# Altium PCB Cueing-PCB.PcbDoc (part 1 of 2) (continued)
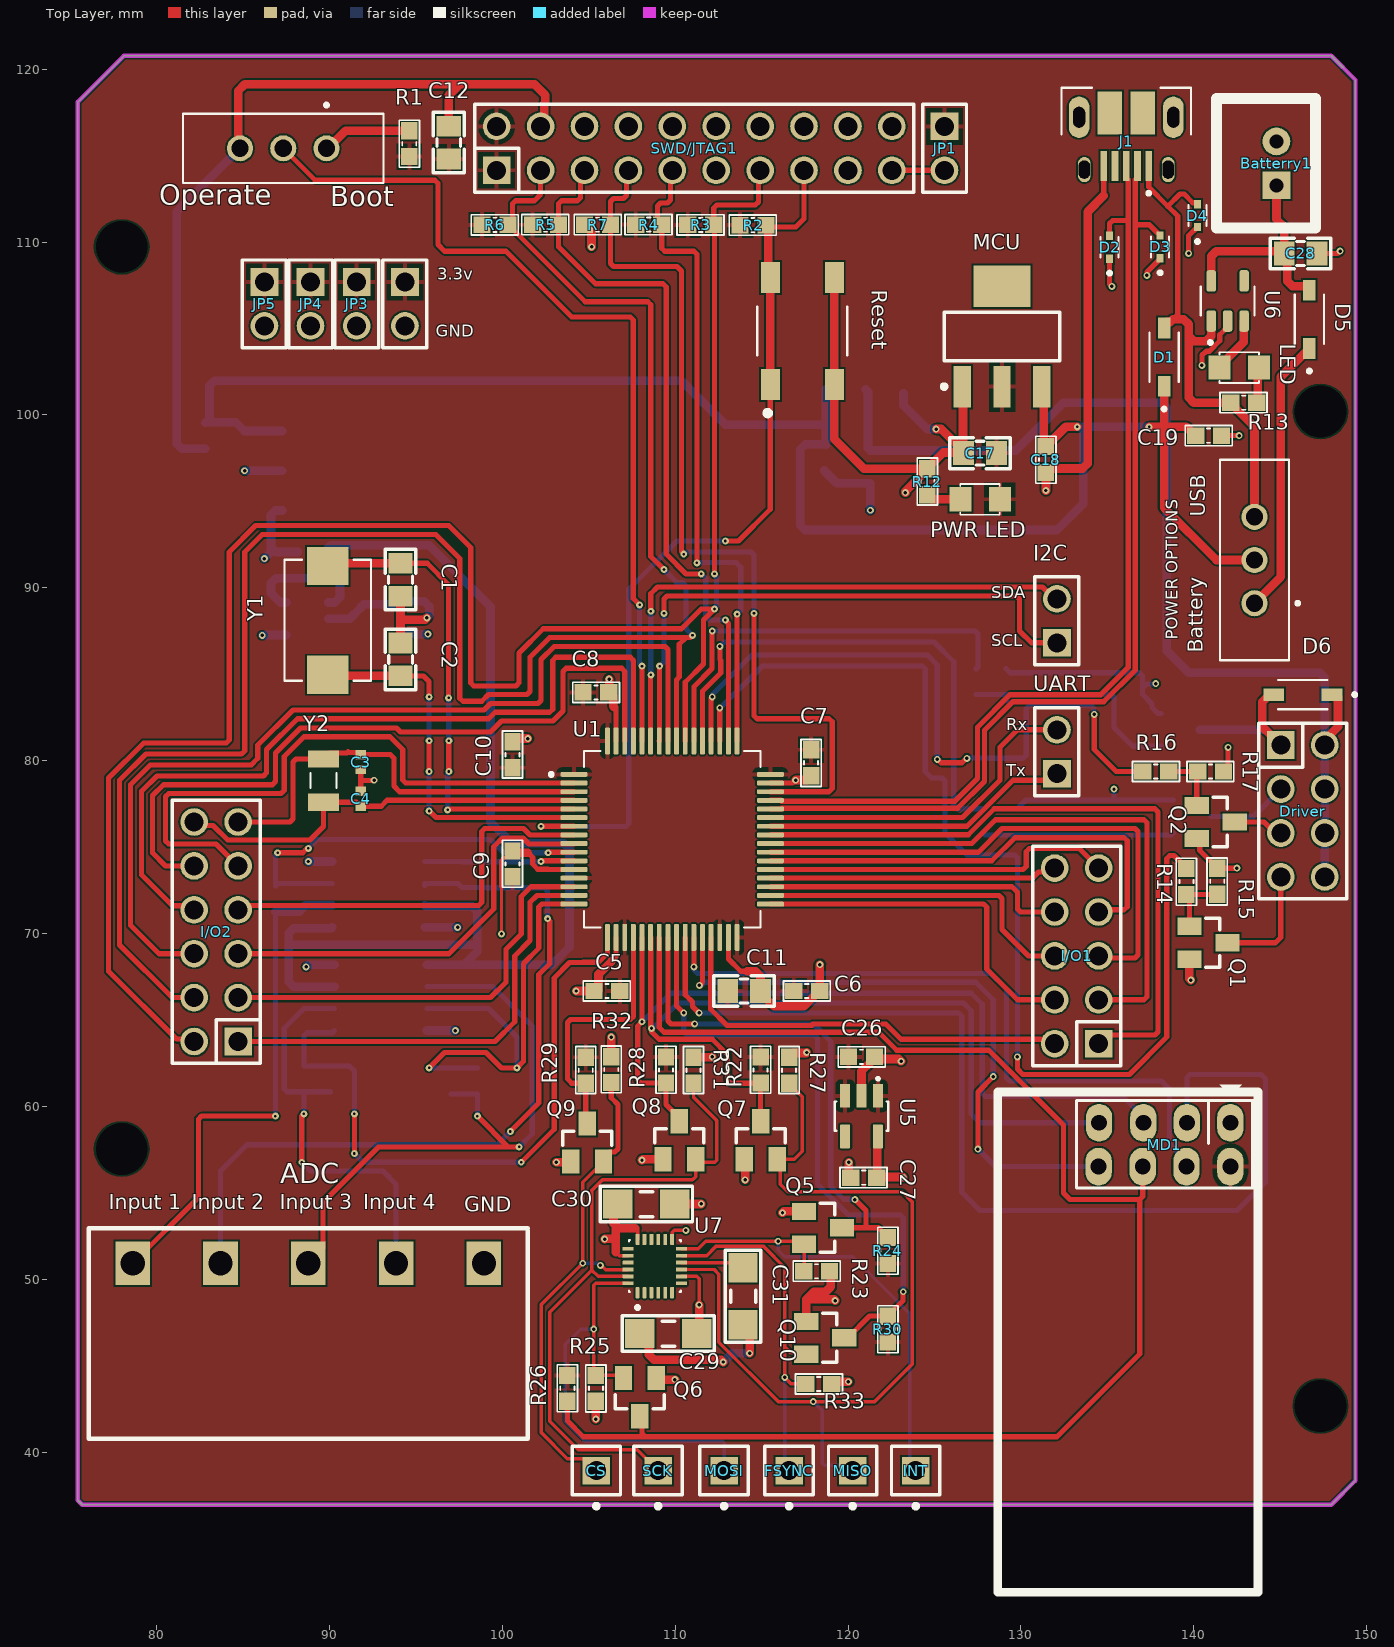
[diagram p0: Top Layer view]
## Components (designator, comment, footprint, x,y, rotation, side; value= is the part's Value field where it differs from the comment) (continued)
CS "JP 1x1 2.54" "JP 1x1 DT" 105.431,38.926 r180 top (schematic designator JP10)
D1 "1N5819HW-7-F" SOD3715X145N 138.281,103.342 r90 top
D2 "LESD5D5.0CT1G" TVS_LESD5D5.0CT1G 135.128,109.703 r90 top
D3 "LESD5D5.0CT1G" TVS_LESD5D5.0CT1G 138.049,109.728 r90 top
D4 "LESD5D5.0CT1G" TVS_LESD5D5.0CT1G 140.208,111.531 r90 top
D5 "1N5819HW-7-F" SOD3715X145N 146.685,105.537 r90 top
D6 "1N5819HW-7-F" SOD3715X145N 146.304,83.82 r180 top
Driver "JP 2x4 2.54" "JP 2x4 DT" 146.304,77.089 r270 top (schematic designator Driver1)
Driver "AMS1117-3.3V" SOT223 120.904,104.161 r180 bottom value="AMS1117-3.3V SOT223" (schematic designator AMS3)
FSYNC "JP 1x1 2.54" "JP 1x1 DT" 116.586,38.926 r180 top (schematic designator JP11)
I2C "JP 1x2 2.54" "JP 1x2 DT" 132.08,86.821 r90 top (schematic designator I1)
I/O1 "JP 2x5 2.54" "JP 2x5 DT" 133.223,68.707 r90 top
I/O2 "JP 2x6 2.54" "JP 2x6 DT" 83.439,70.104 r90 top
INT "JP 1x1 2.54" "JP 1x1 DT" 123.911,38.926 r180 top (schematic designator JP6)
J1 "10103594-0001LF" AMPHENOL_10103594-0001LF 136.09,117.225 r180 top
JP1 "JP 1x2 2.54" "JP 1x2 DT" 125.578,116.696 r270 top
JP3 "JP 1x2 2.54" "JP 1x2 DT" 91.567,107.696 r270 top
JP4 "JP 1x2 2.54" "JP 1x2 DT" 88.9,107.696 r270 top
JP5 "JP 1x2 2.54" "JP 1x2 DT" 86.233,107.696 r270 top
LED "LED 0805" LED-0805-Red 143.764,102.743 r180 top (schematic designator L2)
MCU "AMS1117-3.3V" SOT223 128.905,104.542 r0 top value="AMS1117-3.3V SOT223" (schematic designator AMS1)
MD1 "NRF24L01 Module" NRF24L01 142.113,59.055 r180 top
MISO "JP 1x1 2.54" "JP 1x1 DT" 120.265,38.926 r180 top (schematic designator JP7)
MOSI "JP 1x1 2.54" "JP 1x1 DT" 112.825,38.926 r180 top (schematic designator JP9)
"POWER OPTIONS" "EG1218" SW_EG1218 143.51,91.607 r90 top (schematic designator S1)
"PWR LED" "LED 0805" LED-0805-Green 128.778,95.123 r180 top (schematic designator L1)
Q1 "SI2312" SOT23 140.843,69.469 r270 top
Q2 "SI2312" SOT23 141.267,76.454 r270 top
Q3 "SI2312" SOT23 139.911,76.769 r90 bottom
Q4 "SI2312" SOT23 139.235,81.788 r90 bottom
Q5 "SI2312" SOT23 118.554,52.975 r270 top
Q6 "SI2312" SOT23 107.95,43.18 r180 top
Q7 "SI2312" SOT23 114.945,58.039 r0 top
Q8 "SI2312" SOT23 110.236,58.039 r0 top
Q9 "SI2312" SOT23 104.902,57.912 r0 top
Q10 "SI2312" SOT23 118.681,46.609 r270 top
R1 "10k" "tro smd 0603" 94.615,115.697 r270 top
R2 "10k" "tro smd 0603" 114.498,110.987 r180 top
R3 "10k" "tro smd 0603" 111.475,110.993 r180 top
R4 "10k" "tro smd 0603" 108.467,111.013 r180 top
R5 "10k" "tro smd 0603" 102.498,111.007 r180 top
R6 "10k" "tro smd 0603" 99.568,110.998 r180 top
R7 "10k" "tro smd 0603" 105.505,111.007 r0 top
R8 "3.9k" "tro smd 0603" 97.663,73.406 r90 bottom
R9 "3.9k" "tro smd 0603" 90.043,61.595 r90 bottom
R10 "3.9k" "tro smd 0603" 88.265,72.009 r90 bottom
R11 "3.9k" "tro smd 0603" 98.552,61.468 r90 bottom
R12 "1k" "tro smd 0603" 124.587,96.139 r90 top
R13 "1k" "tro smd 0603" 142.887,100.711 r180 top
R14 "1k" "tro smd 0603" 139.573,73.013 r270 top
R15 "10k" "tro smd 0603" 141.351,73.025 r270 top
R16 "1k" "tro smd 0603" 137.795,79.375 r0 top
R17 "10k" "tro smd 0603" 140.97,79.375 r180 top
R18 "1k" "tro smd 0603" 127.889,76.454 r270 bottom
R19 "1k" "tro smd 0603" 127.413,84.572 r270 bottom
R20 "10k" "tro smd 0603" 129.794,76.454 r270 bottom
R21 "10k" "tro smd 0603" 129.141,84.572 r270 bottom
R22 "2.2k" "tro smd 0603" 114.935,62.103 r90 top
R23 "2.2k" "tro smd 0603" 118.176,50.466 r0 top
R24 "2.2k" "tro smd 0603" 122.301,51.661 r270 top
R25 "2.2k" "tro smd 0603" 105.41,43.688 r270 top
R26 "2.2k" "tro smd 0603" 103.759,43.688 r90 top
R27 "2.2k" "tro smd 0603" 116.586,62.091 r90 top
R28 "2.2k" "tro smd 0603" 109.466,62.103 r90 top
R29 "2.2k" "tro smd 0603" 104.821,62.091 r90 top
R30 "2.2k" "tro smd 0603" 122.301,47.117 r270 top
R31 "2.2k" "tro smd 0603" 111.056,62.091 r90 top
R32 "2.2k" "tro smd 0603" 106.296,62.129 r90 top
R33 "2.2k" "tro smd 0603" 118.3,43.942 r0 top
Reset "SKQGAFE010" SW_SKQGAFE010 117.349,104.859 r90 top (schematic designator Reset1)
SCK "JP 1x1 2.54" "JP 1x1 DT" 109.009,38.926 r180 top (schematic designator JP8)
SWD/JTAG1 "JP 2x10 2.54" "JP 2x10 DT" 111.1,115.426 r0 top
U1 "STM32F446RET6" QFP50P1200X1200X160-64N 109.826,75.456 r0 top
U2 "OPA2335AID" SOIC127P599X175-8N 92.837,72.263 r180 bottom
U3 "OPA2335AID" SOIC127P599X175-8N 92.964,66.294 r0 bottom
U4 "LT6650IS5#TRPBF" SOT95P280X100-5N 88.722,88.214 r180 bottom
U5 "AP7331-18WG-7" SOT95P285X145-5N 120.777,59.436 r270 top
U6 "MAX1555EZK+T" SOT95P275X110-5N 141.955,106.594 r90 top
U7 "ICM-20948" QFN40P300X300X105-24N 108.818,50.765 r90 top
UART "JP 1x2 2.54" "JP 1x2 DT" 132.08,79.248 r90 top (schematic designator UART1)
Y1 "ECS-80-20-20A-TR" XTAL_ECS-80-20-20A-TR 89.903,88.121 r270 top
Y2 "CM7V-T1A-32.768KHZ-12.5PF-100PPM-TB-QC" XTAL_CM7V-T1A-32.768KHZ-12.5PF-100PPM-TB-QC 89.649,78.85 r270 top

## Footprints (in the part's own frame and the unit in brackets; to place one, negate y for a bottom-side part, rotate by r counter-clockwise, add the part's x,y. Pads: shape width x height; smd on the part's side, far side on the other; paste and mask are expansions set on the pad)
AMPHENOL_10103594-0001LF [mm]
  rect 0.4x1.75 smd: 1(-1.3,2.825) 2(-0.65,2.825) 3(0,2.825) 4(0.65,2.825) 5(1.3,2.825)
  oval 0.73x1.46 hole 0.65 slot 1.05 at 90 deg mask+0: 6(-2.425,3.03) 7(2.425,3.03)
  oval 1.2x2.4 hole 0.7 slot 1.2 at 90 deg: 8(-2.725,0) 9(2.725,0)
  oval 1.05x2.1 smd far side paste-2: 10(-2.425,3.03) 11(2.425,3.03)
  rect 1.425x2.5 smd: S1(-0.962,-0.25) S2(0.962,-0.25)
  silkscreen extent -3.75,-1.7 3.75,4.5, body extent -4.02,-4.15 4.02,1.88, height 2.95
CAPC1005X55N [mm]
  rect 0.54x0.6 smd: 1(-0.432,0) 2(0.432,0)
  body extent -0.5,-0.25 0.5,0.25, height 0.55
"CON 5 5EDG5.08" [mm]
  rect 2x2.5 hole 1.4: 1(0,0) 2(5.08,0) 3(10.16,0) 4(15.24,0) 5(20.32,0)
  silkscreen extent -2.54,-2.03 22.86,10.16, body extent -2.5,-1.75 22.82,10.25, height 3.15
"JP 1x1 DT" [mm] "1pins, 1 row, straight, gold plating"
  rect 1.6x1.6 hole 1.1: 1(0,0)
  silkscreen extent -1.4,-1.4 1.4,2.17, body extent -1.27,-1.27 1.27,1.27, height 8.54
"JP 1x2 DT" [mm] "2 pins, 1 row, straight, gold plating"
  rect 1.6x1.6 hole 1.1: 1(0,0)
  round 1.6 hole 1.1: 2(2.54,0)
  silkscreen extent -1.27,-1.27 3.81,1.27, body extent -1.27,-1.27 3.81,1.27, height 8.54
"JP 2x4 DT" [mm]
  rect 1.61x1.6 hole 1.1: 1(-3.81,-1.27)
  oval 1.61x1.6 hole 1.1: 2(-1.27,-1.27) 3(1.27,-1.27) 4(3.81,-1.27) 5(3.81,1.27) 6(1.27,1.27) 7(-1.27,1.27) 8(-3.81,1.27)
  silkscreen extent -5.08,-2.54 5.08,2.54, body extent -5.08,-2.54 5.08,2.54, height 8.55
"JP 2x5 DT" [mm] "10 pins, dual pin, straight, gold plating"
  rect 1.6x1.6 hole 1.1: 1(-5.08,-1.27)
  round 1.6 hole 1.1: 2(-2.54,-1.27) 3(0,-1.27) 4(2.54,-1.27) 5(5.08,-1.27) 6(5.08,1.27) 7(2.54,1.27) 8(0,1.27) 9(-2.54,1.27) 10(-5.08,1.27)
  silkscreen extent -6.35,-2.54 6.35,2.54, body extent -6.35,-2.54 6.35,2.54, height 8.55
"JP 2x6 DT" [mm] "12 pins, dual pin, straight, gold plating"
  rect 1.6x1.6 hole 1.1: 1(-6.35,-1.27)
  round 1.6 hole 1.1: 2(-3.81,-1.27) 3(-1.27,-1.27) 4(1.27,-1.27) 5(3.81,-1.27) 6(6.35,-1.27) 7(6.35,1.27) 8(3.81,1.27) 9(1.27,1.27) 10(-1.27,1.27) 11(-3.81,1.27) 12(-6.35,1.27)
  silkscreen extent -7.62,-2.54 7.62,2.54, body extent -7.62,-2.54 7.62,2.54, height 8.55
"JP 2x10 DT" [mm] "20 pins, dual pin, straight, gold plating"
  rect 1.6x1.6 hole 1.1: 1(-11.43,-1.27)
  round 1.6 hole 1.1: 2(-8.89,-1.27) 3(-6.35,-1.27) 4(-3.81,-1.27) 5(-1.27,-1.27) 6(1.27,-1.27) 7(3.81,-1.27) 8(6.35,-1.27) 9(8.89,-1.27) 10(11.43,-1.27) 11(11.43,1.27) 12(8.89,1.27) 13(6.35,1.27) 14(3.81,1.27) 15(1.27,1.27) 16(-1.27,1.27) 17(-3.81,1.27) 18(-6.35,1.27) 19(-8.89,1.27) 20(-11.43,1.27)
  silkscreen extent -12.7,-2.54 12.7,2.54, body extent -12.7,-2.54 12.7,2.54, height 8.55
LED-0805-Green [mil]
  rect 50x55 smd: 1(0,0) 2(90,0)
  silkscreen extent 0,-35 90,35, body extent 5,-25 85,25, height 43
LED-0805-Red [mil]
  rect 50x55 smd: 1(0,0) 2(90,0)
  silkscreen extent 0,-35 90,35, body extent 5,-25 85,25, height 43
NRF24L01 [mil]
  oval 60x86 hole 36: 1(0,0) 2(0,100) 3(99,0) 4(100,100) 5(198,0) 6(199.5,100) 7(299,0) 8(300,100)
  silkscreen extent -63,-86 530,1069, body extent -73,-74 518,1068, height 588
QFN40P300X300X105-24N [mm]
  rrect25% 0.64x0.22 smd: 1(-1.545,1) 2(-1.545,0.6) 3(-1.545,0.2) 4(-1.545,-0.2) 5(-1.545,-0.6) 6(-1.545,-1) 13(1.545,-1) 14(1.545,-0.6) 15(1.545,-0.2) 16(1.545,0.2) 17(1.545,0.6) 18(1.545,1)
  rrect25% 0.22x0.64 smd: 7(-1,-1.545) 8(-0.6,-1.545) 9(-0.2,-1.545) 10(0.2,-1.545) 11(0.6,-1.545) 12(1,-1.545) 19(1,1.545) 20(0.6,1.545) 21(0.2,1.545) 22(-0.2,1.545) 23(-0.6,1.545) 24(-1,1.545)
  silkscreen extent -2.5,-1.5 1.5,1.5, body extent -1.5,-1.5 1.5,1.5, height 1
QFP50P1200X1200X160-64N [mm]
  rrect50% 1.56x0.28 smd: 1(-5.68,3.75) 2(-5.68,3.25) 3(-5.68,2.75) 4(-5.68,2.25) 5(-5.68,1.75) 6(-5.68,1.25) 7(-5.68,0.75) 8(-5.68,0.25) 9(-5.68,-0.25) 10(-5.68,-0.75) 11(-5.68,-1.25) 12(-5.68,-1.75) 13(-5.68,-2.25) 14(-5.68,-2.75) 15(-5.68,-3.25) 16(-5.68,-3.75) 33(5.68,-3.75) 34(5.68,-3.25) 35(5.68,-2.75) 36(5.68,-2.25) 37(5.68,-1.75) 38(5.68,-1.25) 39(5.68,-0.75) 40(5.68,-0.25) 41(5.68,0.25) 42(5.68,0.75) 43(5.68,1.25) 44(5.68,1.75) 45(5.68,2.25) 46(5.68,2.75) 47(5.68,3.25) 48(5.68,3.75)
  rrect50% 0.28x1.56 smd: 17(-3.75,-5.68) 18(-3.25,-5.68) 19(-2.75,-5.68) 20(-2.25,-5.68) 21(-1.75,-5.68) 22(-1.25,-5.68) 23(-0.75,-5.68) 24(-0.25,-5.68) 25(0.25,-5.68) 26(0.75,-5.68) 27(1.25,-5.68) 28(1.75,-5.68) 29(2.25,-5.68) 30(2.75,-5.68) 31(3.25,-5.68) 32(3.75,-5.68) 49(3.75,5.68) 50(3.25,5.68) 51(2.75,5.68) 52(2.25,5.68) 53(1.75,5.68) 54(1.25,5.68) 55(0.75,5.68) 56(0.25,5.68) 57(-0.25,5.68) 58(-0.75,5.68) 59(-1.25,5.68) 60(-1.75,5.68) 61(-2.25,5.68) 62(-2.75,5.68) 63(-3.25,5.68) 64(-3.75,5.68)
  silkscreen extent -7.1,-5.1 5.1,5.1
SOD3715X145N [mm]
  rect 1.21x0.73 smd: A(1.68,0) C(-1.68,0)
  silkscreen extent -3.1,-0.85 1.43,0.85, body extent -1.83,-0.77 1.83,0.77, height 0.8
SOIC127P599X175-8N [mm]
  rrect25% 1.58x0.6 smd: 1(-2.67,1.905) 2(-2.67,0.635) 3(-2.67,-0.635) 4(-2.67,-1.905) 5(2.67,-1.905) 6(2.67,-0.635) 7(2.67,0.635) 8(2.67,1.905)
  silkscreen extent -4.35,-2.52 1.99,2.6, body extent -3,-2.45 3,2.45, height 1.75
SOT23 [mm]
  rect 1x1.4 smd: 1(-0.95,-1.1) 2(0.95,-1.1) 3(0,1.1)
  silkscreen extent -1.42,-0.15 1.42,0.66, body extent -1.18,-1.46 1.19,1.46, height 1.25
SOT95P275X110-5N [mm]
  rrect50% 1.24x0.55 smd: 1(-1.16,0.95) 2(-1.16,0) 3(-1.16,-0.95) 4(1.16,-0.95) 5(1.16,0.95)
  silkscreen extent -2.5,-1.55 0.83,1.55
SOT95P280X100-5N [mil]
  rect 48x20 smd: 1(-48,37) 2(-48,0) 3(-48,-37) 4(48,-37) 5(48,37)
  silkscreen extent -16,-57 34,57, body extent -55,-57 55,57, height 39
SOT95P285X145-5N [mm]
  rrect15% 1.37x0.59 smd: 1(-1.175,0.95) 2(-1.175,0) 3(-1.175,-0.95) 4(1.175,-0.95) 5(1.175,0.95)
  silkscreen extent -2.23,-1.55 0.85,1.55, body extent -1.4,-1.5 1.4,1.5, height 1.4
SOT223 [mm]
  rect 1x2.4 smd: 1(-2.3,-2.9) 2(0,-2.9) 3(2.3,-2.9)
  rect 3.3x2.4 smd: 4(0,2.9)
  silkscreen extent -3.47,-3.02 3.35,1.4, body extent -3.25,-3.56 3.25,3.4, height 1.68
SW_EG1218 [mm]
  round 1.508 hole 1 mask+0.05: 1(-2.5,0) 2(0,0) 3(2.5,0)
  silkscreen extent -5.8,-2.6 5.8,2, body extent -5.8,-7 5.8,5.1, height 2
SW_SKQGAFE010 [mm]
  rect 1.8x1.1 smd: 1(-3.1,1.85) 2(3.1,1.85) 3(-3.1,-1.85) 4(3.1,-1.85)
  silkscreen extent -4.9,-2.6 1.4,2.6
"tro smd 0603" [mm] "Chip Capacitor, 2-Leads, Body 1,60x0,80mm, IPC Medium Density"
  rect 1x0.95 smd mask+0.076: 1(-0.75,0) 2(0.75,0)
  silkscreen extent -1.35,-0.58 1.37,0.58, body extent -0.82,-0.42 0.82,0.43, height 0.44
"tu 0603" [mm] "Chip Capacitor, 2-Leads, Body 1,60x0,80mm, IPC Medium Density"
  rect 1x0.95 smd mask+0.076: 1(-0.75,0) 2(0.75,0)
  silkscreen extent -1.35,-0.58 1.37,0.58, body extent -0.8,-0.4 0.8,0.4, height 0.9
"tu 0805" [mm] "Compoment SMD 80x50mil"
  rect 1.2x1.4 smd: 1(-0.946,-0.003) 2(0.954,-0.003)
  silkscreen extent -1.75,-0.89 1.75,0.89, body extent -1.01,-0.64 1.01,0.63, height 0.61
"tu 1206" [mm]
  rect 1.7x1.7 smd: 1(-1.65,0) 2(1.65,0)
  silkscreen extent -2.67,-1.02 2.67,1.02, body extent -1.57,-0.8 1.63,0.8, height 0.94
TVS_LESD5D5.0CT1G [mm]
  rect 0.48x0.4 smd: 1(-0.66,0) 2(0.66,0)
  silkscreen extent -1.6,-0.52 0.6,0.52, body extent -0.8,-0.4 0.8,0.4, height 0.7
XH2.54M-2 [mm]
  rect 1.6x1.6 hole 0.8: 1(0,0)
  round 1.6 hole 0.8: 2(2.54,0)
  silkscreen extent -2.48,-2.26 5.02,3.46, body extent -2.48,-2.26 5.02,3.48, height 6.91
XTAL_CM7V-T1A-32.768KHZ-12.5PF-100PPM-TB-QC [mm]
  rect 1x1.8 smd: 1(-1.25,0) 2(1.25,0)
  silkscreen extent -0.43,-0.75 0.43,0.75, body extent -1.6,-0.75 1.6,0.75, height 0.65
XTAL_ECS-80-20-20A-TR [mm]
  rect 2.2x2.4 smd: 1(-3.15,0) 2(3.15,0)
  silkscreen extent -3.5,-2.5 3.5,2.5, body extent -3.5,-2.5 3.5,2.5, height 1.7

## Part data
3.3v I2C JP1 JP3 JP4 JP5 UART: library part "JP 1x2 2.54 Duc Thang", "Cắm", Chung_Loai=Cắm, Don_Vi=Con, Ma_Hang=MH000903, Ten_Linh_Kien="Jump Đơn Đực 2.54MM 1x40P Thẳng 11MM"
ADC Driver MCU: library part "AMS1117 SMD", "Dán", Chung_Loai=Dán, Don_Vi=Con, Ma_Hang=MH000596
ADC: "Cắm", Chung_Loai=Cắm, Don_Vi=Con, Ma_Hang=MH003589, Ten_Linh_Kien="CON 5 2EDG5.08-5P 5.08MM ( Xanh Cong)"
Batterry1: library part "Header 2P 2.54 Duc Thang", "Cắm", Chung_Loai=Cắm, Don_Vi=Con, Ma_Hang=MH001283, Ten_Linh_Kien="Header 2P XH2.54-2P Đực Thẳng"
Boot "POWER OPTIONS": "Slide Switch, EG Series, SPDT, Non-Shorting, ON-ON, 200mA DC, 30VDC, PC Pin", Package=None, Check_prices=https://www.snapeda.com/parts/EG1218/E-Switch/view-part/?ref=eda, MF=E-Switch, MP=EG1218, SnapEDA_Link=https://www.snapeda.com/parts/EG1218/E-Switch/view-part/?ref=snap
C1 C2: library part "Tu 0805 20pF 50V 10%", "Dán", Chung_Loai=Dán, Don_Vi=Con, Ma_Hang=MH004558, So_Chan=2, Ten_Linh_Kien="Tụ 0805 20P 10% 50V"
C3 C4: "0402 12 pF 50 V Â±5% Tolerance C0G SMT Multilayer Ceramic Capacitor", Package=None, Availability=Unavailable, MF="{'manufacturer': u'Murata'}", MP=GRM1555C1H120JA01D, Price=None
C5 C6 C7 C8 C9 C10: library part "Tu 0603 103 50V 10%", "Dán", Chung_Loai=Dán, Don_Vi=Con, Ma_Hang=MH004567, So_Chan=2, Ten_Linh_Kien="Tụ 0603 103-10nF 10% 50V"
C11 C12: library part "Tu 0805 225 25V 10%", "Dán", Chung_Loai=Dán, Don_Vi=Con, Ma_Hang=MH007483, So_Chan=2, Ten_Linh_Kien="Tụ 0805 225-2.2uF 25V 10%"
C13 C14 C15 C16: library part "Tu 0603 470pF 50V 10%", "Dán", Chung_Loai=Dán, Don_Vi=Con, Ma_Hang=MH004571, So_Chan=2, Ten_Linh_Kien="Tụ 0603 470P 50V 10%"
C17 C22 C24: library part "Tu 0805 224 50V 10%", "Dán", Chung_Loai=Dán, Don_Vi=Con, Ma_Hang=MH004559, So_Chan=2, Ten_Linh_Kien="Tụ 0805 224-0.22uF 10% 50V"
C18 C19 C23 C25: library part "Tu 0603 106 16V 20%", "Dán", Chung_Loai=Dán, Don_Vi=Con, Ma_Hang=MH004848, So_Chan=2, Ten_Linh_Kien="Tụ 0603-10uF 20% 16V"
C20 C21 C26 C27: library part "Tu 0603 105 16V 20%", "Dán", Chung_Loai=Dán, Don_Vi=Con, Ma_Hang=MH004574, So_Chan=2, Ten_Linh_Kien="Tụ 0603 105-1uF 20% 16V"
C28: library part "Tu 0805 10pF 50V 10%", "Dán", Chung_Loai=Dán, Don_Vi=Con, Ma_Hang=MH004554, So_Chan=2, Ten_Linh_Kien="Tụ 0805 10P 10% 50V"
C29 C30 C31: library part "Tu 1206 104 50V 20%", "Dán", Chung_Loai=Dán, Don_Vi=Con, Ma_Hang=MH004544, So_Chan=2, Ten_Linh_Kien="Tụ 1206 104-0.1uF 20% 50V"
CS FSYNC INT MISO MOSI SCK: library part "JP 1x1 2.54 Duc Thang", "Cắm", Chung_Loai=Cắm, Don_Vi=Con, Ma_Hang=MH000903, Ten_Linh_Kien="Jump Đơn Đực 2.54MM 1x40P Thẳng 11MM"
D1 D5 D6: "1N5819HW Series 40 V 1 A Surface Mount Schottky Barrier Rectifier - SOD-123", Package=None, Availability=Unavailable, MF="{'manufacturer': u'Diodes Inc.'}", MP=1N5819HW-7-F, Price=None
D2 D3 D4 U2 U3 U6 Y2: Package=None, Availability=Unavailable, Price=None
  D2 D3 D4: MF="{'manufacturer': u'Leshan Radio Co.'}", MP=LESD5D5.0CT1G
  U2 U3: MF="{'manufacturer': u'Texas Instruments'}", MP=OPA2335AID
  U6: MF="{'manufacturer': u'Analog Devices'}", MP=MAX1555EZK+
  Y2: MF="{'manufacturer': u'Micro Crystal'}", MP=CM7V-T1A-32.768KHZ-12.5PF-100PPM-TB-QC
Driver: library part "JP 2x4 2.54 Duc Thang", "Cắm", Chung_Loai=Cắm, Don_Vi=Con, Ma_Hang=MH002686, Ten_Linh_Kien="Jump Đôi Đực 2.54MM 2x40P Thẳng 11MM"
I/O1: library part "JP 2x5 2.54 Duc Thang", "Cắm", Chung_Loai=Cắm, Don_Vi=Con, Ma_Hang=MH002686, Ten_Linh_Kien="Jump Đôi Đực 2.54MM 2x40P Thẳng 11MM"
I/O2: library part "JP 2x6 2.54 Duc Thang", "Cắm", Chung_Loai=Cắm, Don_Vi=Con, Ma_Hang=MH002686, Ten_Linh_Kien="Jump Đôi Đực 2.54MM 2x40P Thẳng 11MM"
J1: "USB - micro B USB 2.0 Receptacle Connector 5 Position Surface Mount, Right Angle; Through Hole", Package=None, Availability=Unavailable, MF="{'manufacturer': u'FCI Connectors'}", MP=10103594-0001LF, Price=None
LED: library part "LED 0805 Do", "Dán", Chung_Loai=Dán, Don_Vi=Con, Ma_Hang=MH000897, Ten_Linh_Kien="LED 0805 Màu Đỏ (Red)"
"PWR LED": library part "LED 0805 Xanh La", "Dán", Chung_Loai=Dán, Don_Vi=Con, Ma_Hang=MH002326, Ten_Linh_Kien="LED 0805 Màu Xanh Lá (Green)"
Q1 Q2 Q3 Q4 Q5 Q6 Q7 Q8 Q9 Q10: "<b>N-Channel MOSFET</b>    <a href=\"https://pricing.snapeda.com/parts/SI2312/Micro%20Commercial%20Components/view-part?ref=eda\">Check availability</a> <a href=\"https://pricing.snapeda.com/parts/SI2312/Micro%20Commercial%20Components/view-part?ref=eda\">Check availability</a>", Package=None, Availability=Unavailable, MF="{'manufacturer': u'Micro Commercial Components'}", MP=SI2312-TP, Price=None
R1 R2 R3 R4 R5 R6 R7 R15 R17 R20 R21: library part "Tro 0603 1% 10k", "Dán", Chung_Loai=Dán, Don_Vi=Con, Ma_Hang=MH006333, So_Chan=2, Ten_Linh_Kien="Trở 0603 1% 10k"
R8 R9 R10 R11: library part "Tro 0603 1% 3.9k", "Dán", Chung_Loai=Dán, Don_Vi=Con, Ma_Hang=MH005793, So_Chan=2, Ten_Linh_Kien="Trở 0603 1% 3.9k"
R12: library part "Tro 0603 5% 1k", "Dán", Chung_Loai=Dán, Don_Vi=Con, Ma_Hang=MH006319, So_Chan=2, Ten_Linh_Kien="Trở 0603 5% 1k"
R13 R14 R16 R18 R19: library part "Tro 0603 1% 1k", "Dán", Chung_Loai=Dán, Don_Vi=Con, Ma_Hang=MH006334, So_Chan=2, Ten_Linh_Kien="Trở 0603 1% 1k"
R22 R23 R24 R25 R26 R27 R28 R29 R30 R31 R32 R33: library part "Tro 0603 5% 2.2k", "Dán", Chung_Loai=Dán, Don_Vi=Con, Ma_Hang=MH006321, So_Chan=2, Ten_Linh_Kien="Trở 0603 5% 2.2k"
Reset: "Switch Tactile N.O. SPST Button Gull Wing 0.05A 12VDC 0.98N SMD T/R", Package=None, Availability=Unavailable, MF="{'manufacturer': u'ALPS'}", MP=SKQGAFE010, Price=None
SWD/JTAG1: library part "JP 2x10 2.54 Duc Thang", "Cắm", Chung_Loai=Cắm, Don_Vi=Con, Ma_Hang=MH002686, Ten_Linh_Kien="Jump Đôi Đực 2.54MM 2x40P Thẳng 11MM"
U1: "MCU 32-Bit STM32 ARM Cortex M4 RISC 512KB Flash 2.5V/3.3V 64-Pin LQFP Tray", Package=None, Availability=Unavailable, MF="{'manufacturer': u'STMicroelectronics'}", MP=STM32F446RET6, Price=None
U4: "Micropower, 400mV Reference with Rail-to-Rail Buffer Amplifier", Package=None, Availability=Unavailable, MF="{'manufacturer': u'Analog Devices'}", MP=LT6650IS5#TRPBF, Price=None
U5: "LDO Regulator Pos 1.8V 0.3A 5-Pin SOT-25 T/R", Package=None, Availability=Unavailable, MF="{'manufacturer': u'Diodes Inc.'}", MP=AP7331-18WG-7, Price=None
U7: "Accelerometer, Gyroscope, Magnetometer, 9 Axis Sensor IÂ²C, SPI Output", Package=None, Availability=Unavailable, MF="{'manufacturer': u'TDK InvenSense'}", MP=ICM-20948, Price=None
Y1: "SMD CRYSTAL", Package=None, Availability=Unavailable, MF="{'manufacturer': u'ECS Inc.'}", MP=ECS-80-20-20A-TR, Price=None

## Free pads (board coordinates)
  round 1.524 hole 3: 2(77.978,109.728) 3(147.32,42.672) 4(77.978,57.531) 5(147.32,100.203)

## Via types
v1: diameter 0.4, hole 0.2, Top Layer to Bottom Layer, 77 vias
v2: diameter 0.4, hole 0.15, Top Layer to Bottom Layer, 44 vias

## Nets (pads, with @x,y where several pads share a name; then routed paths per layer and width w, separated by ;. In a path a pad name is that pad's centre, name@x,y a point inside that pad or via, vN(x,y) a via of type N, cw(c..) or ccw(c..) an arc to the next point about the centre after c; other vN are vias at no path point)
0.4V: C21.1 U2.3 U2.5 U3.3 U3.5 U4.1 U4.5 | length 78.8
  Bottom Layer w0.5: U4.5@87.503,89.154 87.147,89.154 86.614,89.687 86.614,90.258 86.907,90.551 90.313,90.551 90.606,90.258 ; C21.1@89.662,92.075 C21.1@89.687,92.075 ; U4.1@89.941,89.154 90.297,89.154 90.606,89.463 90.606,90.258 ; U2.5@90.167,70.358 90.117,70.308 87.923,70.308 87.63,70.015 87.63,69.215 ; U3.3@90.294,66.929 87.923,66.929 87.63,67.222 87.63,69.215 ; U2.3@95.507,71.628 95.557,71.578 98.259,71.578 98.552,71.285 98.552,69.342 ; U3.5@95.634,68.199 97.79,68.199 ; 87.63,69.215 87.757,69.342 98.552,69.342 ; C21.1@89.687,92.075 90.068,92.456 95.758,92.456 99.314,88.9 99.314,76.454 100.542,75.226 103.551,75.226 103.886,74.891 103.886,69.215 102.87,68.199 97.79,68.199 ; C21.1@89.687,92.075 90.606,91.156 90.606,90.258 ; 97.79,68.199 98.552,68.961 98.552,69.342
+1.8V: C27.1 C29.1 C30.1 Q5.1 Q6.1 Q7.1 Q8.1 Q9.1 Q10.1 R23.2 R25.2 R27.2 R31.2 R32.2 R33.2 U5.5 U7.8 U7.13 | length 27.7
  Top Layer w0.2: U7.13@109.818,52.31 109.828,52.32 109.828,52.715 109.945,52.832 v1(110.617,52.832) ; U7.8@110.363,50.165 111.252,50.165 111.379,50.038 v1(111.379,48.514)
  Top Layer w0.5: v1(103.124,56.769) 103.909,56.769 Q9.1@103.952,56.812 ; v1(105.41,41.91) R25.2@105.41,42.938 ; R32.2@106.296,62.879 106.296,64.005 v1(106.299,64.008) ; v1(108.077,56.896) 108.12,56.939 Q8.1@109.286,56.939 ; Q6.1@108.9,44.28 108.984,44.196 v1(109.982,44.196) ; C30.1@109.981,54.356 v1(111.506,54.356) ; R31.2@111.056,62.841 112.117,62.841 v1(112.141,62.865) ; C29.1@111.252,46.863 111.379,46.99 v1(111.379,48.514) ; Q7.1@113.995,56.939 114.046,56.888 v1(114.046,55.753) ; v1(116.205,53.848) 116.282,53.925 Q5.1@117.454,53.925 ; R27.2@116.586,62.841 116.586,62.866 116.811,63.091 117.574,63.091 v1(117.602,63.119) ; Q10.1@117.581,47.559 117.581,48.835 ; R23.2@118.926,50.466 118.999,50.393 118.999,49.569 118.706,49.276 118.022,49.276 117.581,48.835 ; R33.2@119.05,43.942 119.177,44.069 v1(120.015,44.069) ; v1(119.253,48.768) 119.186,48.835 117.581,48.835 ; U5.5@121.727,58.261 121.691,58.225 121.691,55.916 123.154,55.916 v1(123.19,55.88)
+3.3V_STM32: 3.3v.1 "PWR LED.1" C5.1 C6.1 C7.1 C8.1 C9.1 C10.1 C11.1 C12.1 C17.1 C26.1 JP1.1 JP3.1 JP4.1 JP5.1 MCU.2 MD1.2 R1.2 R2.2 R3.2 R4.2 R5.2 R6.2 R22.2 R24.2 R26.2 R28.2 R29.2 R30.2 SWD/JTAG1.1 SWD/JTAG1.20 U1.1 U1.13 U1.19 U1.30 U1.32 U1.48 U1.64 U5.1 U5.3
+5V: "POWER OPTIONS.2" ADC.3@87.27,99.074 C18.1 C19.1 C23.1 C25.1 D1.C Driver.3@118.604,101.261 MCU.3 | length 100.8
  Top Layer w0.5: MCU.3@131.205,101.642 131.325,101.522 131.325,98.291 C18.1@131.445,98.171 131.445,98.196 131.67,98.421 131.695,98.421 132.588,99.314 v2(133.258,99.314) ; v2(137.414,99.314) 138.281,99.314 ; D1.C@138.281,101.662 138.281,99.314 ; C19.1@140.093,98.806 140.068,98.806 139.56,99.314 138.281,99.314 ; 143.51,91.607 141.311,91.607 138.281,94.637 138.281,99.314
  Bottom Layer w0.5: C23.1@82.804,99.556 82.835,99.587 C23.1@83.058,99.587 ; ADC.3@87.27,99.074 85.076,99.074 84.563,99.587 C23.1@83.058,99.587 ; C25.1@118.618,98.298 117.514,98.298 117.221,98.005 117.221,93.638 117.514,93.345 132.08,93.345 133.604,94.869 133.604,99.314 ; C25.1@118.717,98.27 118.717,99.314 ; Driver.3@118.717,101.473 118.717,99.314 ; v2(133.258,99.314) 133.604,99.314 ; v2(137.414,99.314) 133.604,99.314 ; C23.1@83.058,99.587 83.058,101.688 83.351,101.981 110.363,101.981 112.903,99.441 118.717,99.441 118.717,99.314
+AVCC: ADC.2@87.27,96.774 C20.1 C22.1 U2.8 U3.8 U4.4 | length 8.2
  Bottom Layer w0.5: v1(85.09,96.774) ADC.2@87.27,96.774 ; v1(86.106,87.249) 86.233,87.249 86.258,87.274 U4.4@87.503,87.274 ; v1(88.773,74.168) U2.8@90.167,74.168 ; C22.1@94.104,87.319 v1(95.688,87.319) ; U3.8@95.634,64.389 v1(97.282,64.389)
+V_Bat: "POWER OPTIONS.1" D5.C | length 16.1
  Top Layer w0.5: 143.51,89.107 145.034,90.631 145.034,102.206 D5.C@146.685,103.857
+V_Driver: C24.1 D6.C Driver.2@120.904,101.261 Driver.5 Driver.6 Driver.7 Driver.8 | length 60.9
  Top Layer w0.5: Driver.8@147.574,80.899 147.574,81.202 148.339,81.967 148.339,83.705 148.224,83.82 D6.C@147.984,83.82
  Bottom Layer w0.5: Driver.2@121.017,101.473 121.151,101.339 121.151,98.076 C24.1@121.284,97.943 129.693,97.943 132.461,100.711 138.137,100.711 138.43,100.418 138.43,86.36 139.7,85.09 147.281,85.09 147.574,84.797 Driver.8@147.574,80.899 Driver.7@147.574,78.359 Driver.6@147.574,75.819 Driver.5@147.574,73.279
+V_USB: "POWER OPTIONS.3" D1.A D4.2 J1.1 R13.2 U6.1 | length 30.3
  Top Layer w0.3: J1.1@137.39,114.4 137.39,113.181 138.494,112.078 ; 138.796,105.537 139.065,105.806 139.065,111.506 138.494,112.078 ; D4.2@140.208,112.191 140.208,112.231 140.158,112.281 139.941,112.281 139.443,112.779 139.195,112.779 138.494,112.078
  Top Layer w0.5: D1.A@138.281,105.022 138.281,105.262 138.396,105.377 138.636,105.377 138.796,105.537 139.407,105.537 139.7,105.244 139.7,104.56 ; U6.1@141.005,105.434 141.005,104.56 140.712,104.267 139.993,104.267 139.7,104.56 ; R13.2@142.137,100.711 R13.2@142.112,100.711 ; 143.51,94.107 143.51,99.313 142.387,100.436 142.387,100.486 142.162,100.711 R13.2@142.112,100.711 ; 139.7,104.56 139.7,101.004 139.993,100.711 R13.2@142.112,100.711
Boot: Boot.2 U1.60 | length 51
  Top Layer w0.3: Boot.2@87.323,115.426 89.169,113.58 96.09,113.58 96.266,113.404 96.266,109.855 96.647,109.474 100.203,109.474 104.013,105.664 107.393,105.664 107.569,105.488 107.569,89.389 v2(107.94,89.017) ; U1.60@108.076,81.136 108.076,85.47 v2(108.077,85.471)
  Bottom Layer w0.3: v2(107.94,89.017) 107.94,85.608 v2(108.077,85.471)